# Altium PCB ArcadeTestHAT 05.PcbDoc (part 1 of 2) (continued)
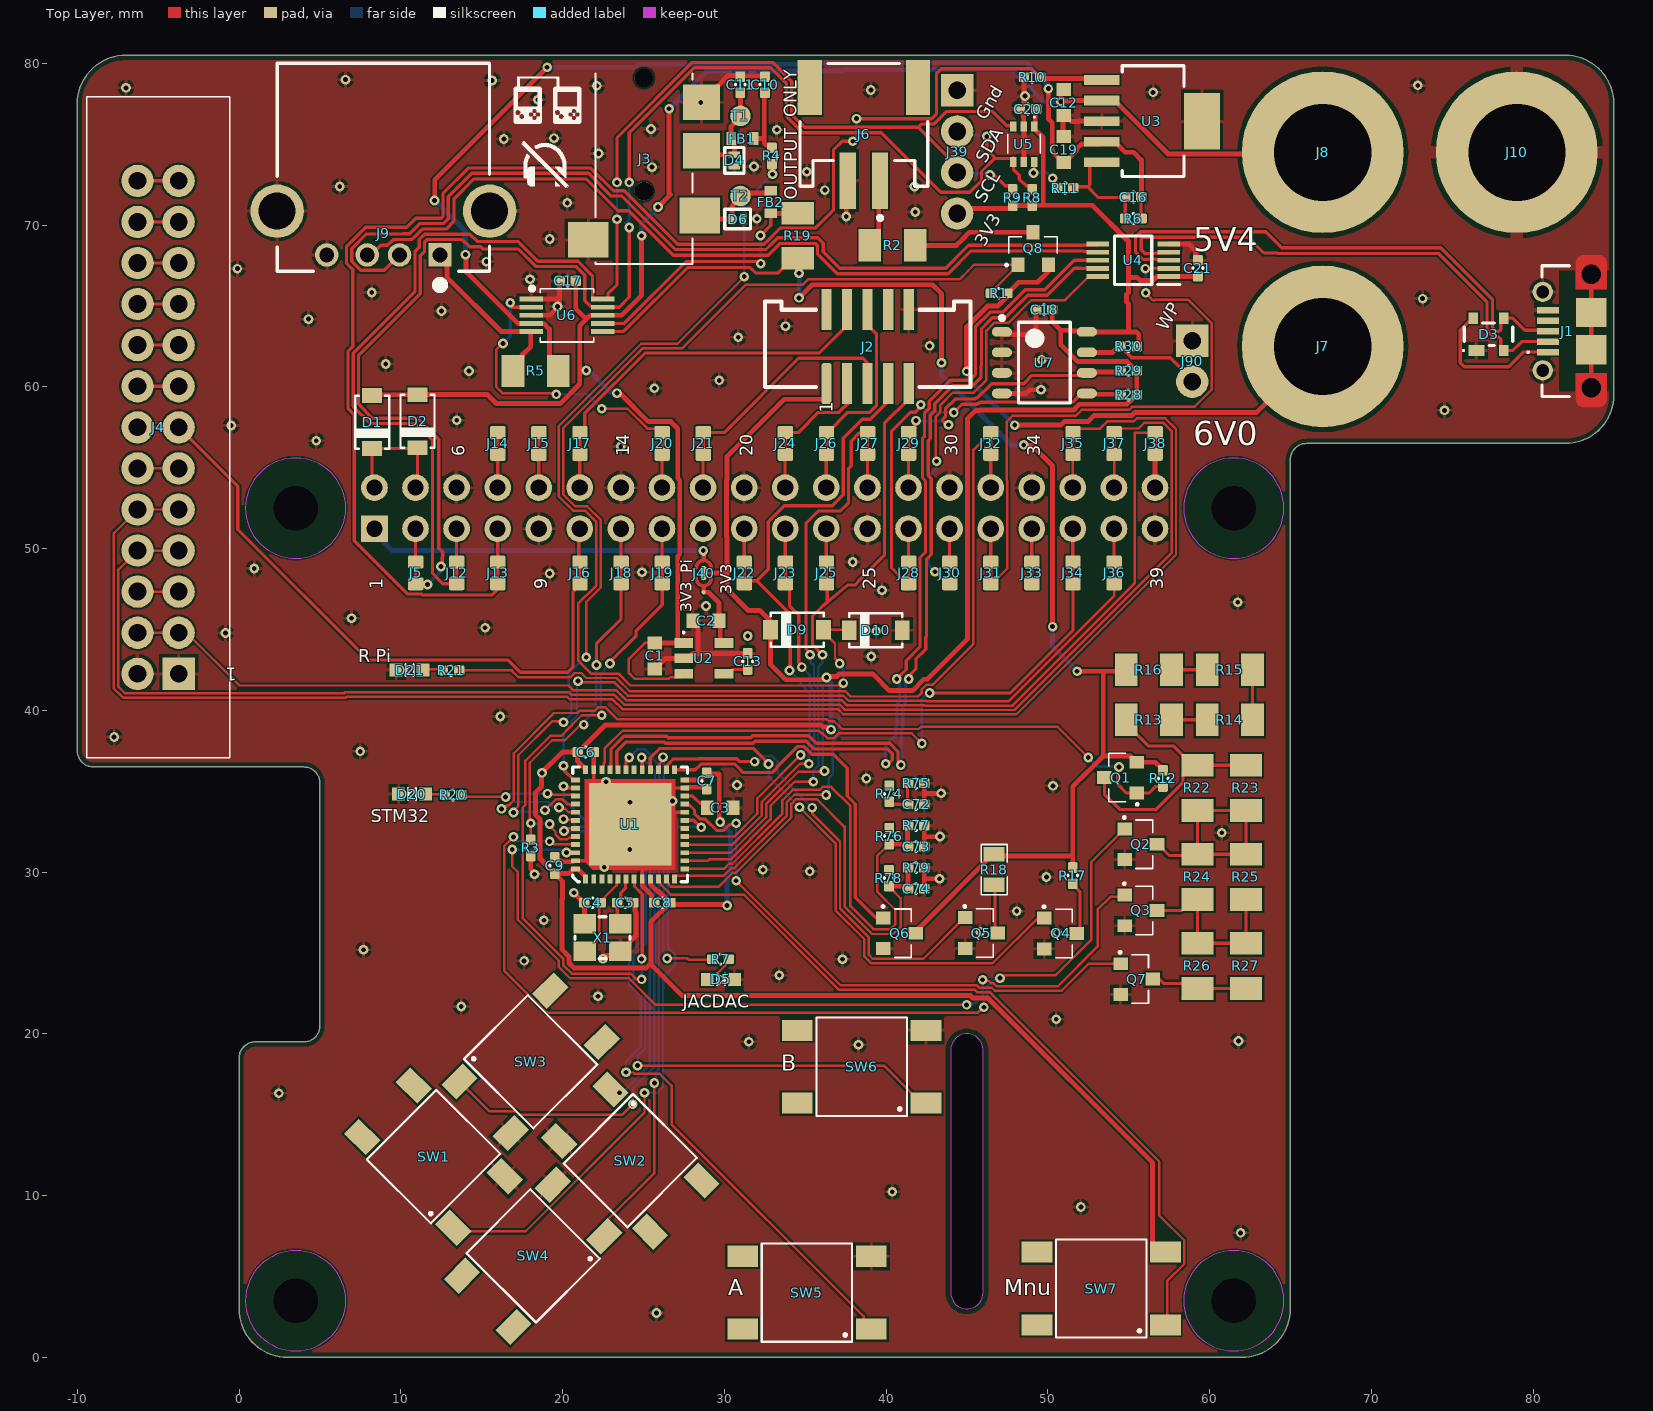
[diagram p0: Top Layer view]
## Footprints (in the part's own frame and the unit in brackets; to place one, negate y for a bottom-side part, rotate by r counter-clockwise, add the part's x,y. Pads: shape width x height; smd on the part's side, far side on the other; paste and mask are expansions set on the pad) (continued)
  silkscreen extent -0.03,-0.3 0.03,0.3, body extent -0.53,-0.28 0.53,0.27, height 0.35
RES0805 [mm] "Chip Resistor, 2-Leads, Body 2.03x1.27mm, IPC Medium Density"
  rect 0.9x1.3 smd: 1(-0.95,0) 2(0.95,0)
  silkscreen extent -1.55,-0.8 1.55,0.8, body extent -1,-0.63 1,0.63, height 1.4
RES1206 [mm]
  rect 1.4x2 smd: 1(-1.4,0) 2(1.4,0)
  body extent -1.7,-0.9 1.7,0.9, height 0.64
"Rohm SML-D12 Orange" [mm]
  rect 0.8x0.8 smd paste-0.05: 1(-0.825,0) 2(0.825,0)
  silkscreen extent -0.25,-0.38 0.25,0.38, body extent -0.8,-0.4 0.8,0.4, height 0.54
"SAMTEC SHF-105-01-L-D-SM - UPDATED SILKSCREEN" [mil]
  rrect50% 100x25 smd: 1(-90,100)
  rect 100x25 smd: 2(90,100) 3(-90,50) 4(90,50) 5(-90,0) 6(90,0) 7(-90,-50) 8(90,-50) 9(-90,-100) 10(90,-100)
  silkscreen extent -98,-250 110,250, body extent -126,-250 114,250, height 215
SAMTEC-SSW-120-01-G-D [mm]
  rect 1.65x1.65 / inner round 1.65 / far side rect 1.65x1.65 hole 1 mask+0: 1(24.13,-1.27)
  round 1.65 hole 1 mask+0: 2(24.13,1.27) 3(21.59,-1.27) 4(21.59,1.27) 5(19.05,-1.27) 6(19.05,1.27) 7(16.51,-1.27) 8(16.51,1.27) 9(13.97,-1.27) 10(13.97,1.27) 11(11.43,-1.27) 12(11.43,1.27) 13(8.89,-1.27) 14(8.89,1.27) 15(6.35,-1.27) 16(6.35,1.27) 17(3.81,-1.27) 18(3.81,1.27) 19(1.27,-1.27) 20(1.27,1.27) 21(-1.27,-1.27) 22(-1.27,1.27) 23(-3.81,-1.27) 24(-3.81,1.27) 25(-6.35,-1.27) 26(-6.35,1.27) 27(-8.89,-1.27) 28(-8.89,1.27) 29(-11.43,-1.27) 30(-11.43,1.27) 31(-13.97,-1.27) 32(-13.97,1.27) 33(-16.51,-1.27) 34(-16.51,1.27) 35(-19.05,-1.27) 36(-19.05,1.27) 37(-21.59,-1.27) 38(-21.59,1.27) 39(-24.13,-1.27) 40(-24.13,1.27)
  silkscreen extent -25.65,-2.5 25.65,2.5, body extent -25.65,-2.48 25.65,2.48, height 8.51
SJ2-3574A-SMT-TR [mm] "3.5mm 4 contact SMD socket"
  rect 2.2x2.5 smd: 1(12.3,-3.45) 2(10.8,3.45)
  rect 2.2x2.3 smd: 3(6.8,3.55) 4(3.8,3.55)
  round 1.15 hole 1.15 unplated mask+0: ""(2.3,0) ""(9.3,0)
  silkscreen extent 2,-3 13.8,3, body extent -1.2,-4.2 13.8,4.2, height 5.35
"ST UFQFPN48 SEH" [mm]
  rect 0.55x0.3 smd mask+0.05: 1(-3.375,2.75) 2(-3.375,2.25) 3(-3.375,1.75) 4(-3.375,1.25) 5(-3.375,0.75) 6(-3.375,0.25) 7(-3.375,-0.25) 8(-3.375,-0.75) 9(-3.375,-1.25) 10(-3.375,-1.75) 11(-3.375,-2.25) 12(-3.375,-2.75) 25(3.375,-2.75) 26(3.375,-2.25) 27(3.375,-1.75) 28(3.375,-1.25) 29(3.375,-0.75) 30(3.375,-0.25) 31(3.375,0.25) 32(3.375,0.75) 33(3.375,1.25) 34(3.375,1.75) 35(3.375,2.25) 36(3.375,2.75)
  rect 0.3x0.55 smd mask+0.05: 13(-2.75,-3.375) 14(-2.25,-3.375) 15(-1.75,-3.375) 16(-1.25,-3.375) 17(-0.75,-3.375) 18(-0.25,-3.375) 19(0.25,-3.375) 20(0.75,-3.375) 21(1.25,-3.375) 22(1.75,-3.375) 23(2.25,-3.375) 24(2.75,-3.375) 37(2.75,3.375) 38(2.25,3.375) 39(1.75,3.375) 40(1.25,3.375) 41(0.75,3.375) 42(0.25,3.375) 43(-0.25,3.375) 44(-0.75,3.375) 45(-1.25,3.375) 46(-1.75,3.375) 47(-2.25,3.375) 48(-2.75,3.375)
  rect 5.1x5.1 smd paste-3 mask+0: 49(0,0)
  Top Layer region: 2.8,-2.8 -2.8,-2.8 -2.8,2.3 -2.3,2.8 2.8,2.8
  silkscreen extent -3.55,-3.55 3.55,3.55, body extent -3.5,-3.5 3.5,3.5, height 0.55
"TDK MPZ1608 0.8mm" [mm]
  rect 0.6x0.8 smd paste-0.1: 1(-0.7,0) 2(0.7,0)
  body extent -0.8,-0.4 0.8,0.4, height 0.8
"TE-292303-1_V - MH WITH ENLARGED ANNULAR RING" [mm] "THD, 4-Leads, Body 13.13x14mm, Pitch 2.5mm"
  rect 1.45x1.45 hole 0.92: 1(-3.5,1.144)
  round 1.45 hole 0.92: 2(-1,1.144) 3(1,1.144) 4(3.5,1.144)
  round 3.3 hole 2.3: 5(-6.57,-1.566) 6(6.57,-1.566)
  silkscreen extent -6.57,-10.7 6.57,3.25, body extent -8.11,-11.85 8.12,2.15, height 7.72
ThreeWaySolderBlob [mil] "Three way open solder blob, 'ball and socket' style"
  round 1 smd paste-10 mask-1: 1(-19.93,0.05) 1(-16.39,-3.5) 1(-16.39,3.6) 3(76.31,-3.55) 3(76.31,3.55) 3(79.85,0)
  oval 10x10.01 smd paste-10 mask-2: 1(-16.56,0.08) 3(76.49,-0.03)
  oval 35x16 smd: 2(30,0)
  Top Layer region: 74.84,5.02 77.02,4.52 78.76,3.13 79.73,1.12 79.73,-1.12 78.76,-3.13 77.02,-4.52 74.84,-5.02 74.84,-5.01 64.28,-5.01 60,-13.79 52.36,-19.85 42.84,-22.02 42.84,-22.01 41.3,-21.71 40,-20.84 39.13,-19.54 38.82,-18 38.82,-18 39.13,-16.46 40,-15.16 41.3,-14.29 42.84,-13.98 42.84,-13.98 48.19,-12.92 52.73,-9.89 55.76,-5.35 56.82,0 56.82,0 55.76,5.35 52.73,9.89 48.19,12.92 42.84,13.98 42.84,13.99 41.3,14.29 40,15.16 39.13,16.46 38.82,18 38.82,18 39.13,19.54 40,20.84 41.3,21.71 42.84,22.02 42.84,22.02 52.36,19.85 60,13.79 64.28,5.02 64.28,5.02
  Top Layer region: -14.92,-3.79 -16.39,-3.5 -17.63,-2.66 -18.47,-1.42 -18.76,0.05 -18.76,0.05 -18.47,1.52 -17.63,2.77 -16.39,3.6 -14.92,3.89 -14.92,3.89 -13.45,3.6 -12.2,2.77 -11.37,1.52 -11.08,0.05 -11.08,0.05 -11.37,-1.42 -12.2,-2.66 -13.45,-3.5 -14.92,-3.79
  Top Layer region: -14.92,-4.96 -17.09,-4.47 -18.84,-3.08 -19.81,-1.07 -19.81,1.17 -18.84,3.18 -17.09,4.57 -14.92,5.07 -14.92,5.07 -4.35,5.07 -0.08,13.84 7.57,19.9 17.08,22.07 17.08,22.07 18.62,21.76 19.92,20.89 20.79,19.59 21.1,18.05 21.1,18.05 20.79,16.51 19.92,15.21 18.62,14.34 17.08,14.04 17.08,14.04 11.73,12.97 7.19,9.94 4.16,5.4 3.1,0.05 3.1,0.05 4.16,-5.3 7.19,-9.84 11.73,-12.87 17.08,-13.93 17.08,-13.93 18.62,-14.24 19.92,-15.11 20.79,-16.41 21.1,-17.95 21.1,-17.95 20.79,-19.49 19.92,-20.79 18.62,-21.66 17.08,-21.96 17.08,-21.96 7.57,-19.8 -0.08,-13.74 -4.35,-4.96 -4.35,-4.96
  Top Layer region: 74.84,3.84 76.31,3.55 77.56,2.72 78.39,1.47 78.68,0 78.68,0 78.39,-1.47 77.56,-2.72 76.31,-3.55 74.84,-3.84 74.84,-3.84 73.37,-3.55 72.12,-2.72 71.29,-1.47 71,0 71,0 71.29,1.47 72.12,2.72 73.37,3.55 74.84,3.84
TPS79633DCQR [mm]
  rect 0.6x2.2 smd: 1(-2.54,0) 2(-1.27,0) 3(0,0) 4(1.27,0) 5(2.54,0)
  rect 3.5x2.2 smd: 6(0,6.2)
  silkscreen extent -3.43,1.27 3.43,5.08, body extent -3.28,-0.46 3.28,6.81, height 1.81
"Wurth 430152050836-WIDE" [mm] "6*6mm vertical type, SMD, height 5.0mm, black actuator, 160gf, T&R"
  rect 1.9x1.3 smd: 1(-3.975,2.25) 2(-3.975,-2.25) 3(3.975,2.25) 4(3.975,-2.25)
  silkscreen extent -2.79,-3.04 2.79,3.04, body extent -4.5,-3.1 4.5,3.1, height 5

## Part data
C1 C2 C3 C12 C19: library part "4.7uF 10V X5R ±10% Samsung CL", "Generic 0603 capacitor 4.7uF 10V, e.g. Samsung CL10A475KP8NNNC", Capacitance=4.7µF, Case/Package=0603, Case Code (Metric)=1608, Dielectric=X5R, Manufacturer=Samsung, Max Operating Temperature=85°C, Min Operating Temperature=-55°C, Package Quantity=1, Supplier Part Number 1=1276-1044-1-ND, Tolerance=10%, Voltage Rating=10V, Case Code (Imperial)=0603, Contact Plating=Tin, Created By=shodges, Depth=0.8mm, Height=0.8mm, Length=1.6mm, Manufacturer Part Number=CL10A475KP8NNNC, Mount="Surface Mount", Packaging="Tape and Reel", Pricing 1="1=0.15, 10=0.109, 100=0.0513, 500=0.036, 1000=0.0298 (USD)", Radiation Hardening=No, Stock 1=40000, Supplier 1=Digi-Key, Supplier 2=Farnell, Supplier Part Number 2=3010071, Thickness=0.035inch, Width=0.031inch
C4 C5 C16: library part CAP0402_GENERIC, "Generic 0402 capacitor 12pF", Manufacturer=Generic, Package Size=0402, Rated Voltage="* V"
C6 C7 C8 C9 C13 C17 C18 C20 C21 C72 C73 C74: "Generic 0402 capacitor 100nF 16V, e.g. AVX 0402YG104ZAT2A", Capacitance=100nF, Case/Package=0402, Case Code (Metric)=1005, Dielectric=Y5V, Insulation Resistance=100GR, Manufacturer="Kyocera AVX", Max Operating Temperature=85°C, Min Operating Temperature=-30°C, Package Quantity=1, Supplier Part Number 1=478-1138-1-ND, Tolerance=80%, Voltage=16V, Case Code (Imperial)=0402, ComponentLink2Description="AVX datasheet online", ComponentLink2URL=http://datasheets.avx.com/Y5V.pdf, Contact Plating=Tin,Matte, Depth=0.5mm, Dissipation Factor=9%, Height=0.5mm, Lead Free="Lead Free", Length=1mm, Manufacturer Part Number=0402YG104ZAT2A, Mount="Surface Mount,PCB", Packaging="Tape and Reel", Pricing 1="1=0.1, 10=0.041, 100=0.0183, 500=0.01306, 1000=0.01026, 2500=0.00933, 5000=0.00858 (USD)", Radiation Hardening=No, REACH SVHC="No SVHC", Stock 1=0, Supplier 1=Digi-Key, Supplier 2=Farnell, Supplier 3=Mouser, Supplier 4=RSComponents, Supplier Part Number 2=1327667, Supplier Part Number 3=581-040216G104Z, Supplier Part Number 4=698-3190, Termination=SMD/SMT, Thickness=0.022inch, Voltage Rating=16V, Voltage Rating (DC)=16V, Width=0.02inch
C10: library part CAP0402_GENERIC, "Generic 0402 capacitor 33pF", Manufacturer=Generic, Package Size=0402, Rated Voltage="* V"
C11: library part CAP0402_GENERIC, "generic 0402 capacitor", Package Size=0402, Rated Voltage="* V"
D1 D2 D9 D10: library part "MCC MBRX120LF", "Schottky diode, 1A low Vf", Average Rectified Current=1A, Forward Voltage=360mV, Manufacturer=MCC, Manufacturer Part Number=MBRX120LF-TP, Max Forward Surge Current (Ifsm)=12A, Max Operating Temperature=125°C, Max Power Dissipation=556mW, Max Repetitive Reverse Voltage (Vrrm)=20V, Min Operating Temperature=-65°C, Package Quantity=1, Supplier Part Number 1=MBRX120LF-TPMSCT-ND, ComponentLink1Description="MCC datasheet", ComponentLink1URL=http://www.mccsemi.com/up_pdf/MBRX120LF(SOD-123).pdf, Element Configuration=Single, Forward Current=1A, Lead Free="Lead Free", Max Reverse Voltage (DC)=20V, Max Surge Current=12A, Mount="Surface Mount", Number of Pins=2, Packaging="Tape and Reel", Peak Non-Repetitive Surge Current=12A, Pricing 1="1=0.51, 10=0.362, 100=0.2379, 500=0.1406, 1000=0.10815 (USD)", Radiation Hardening=No, REACH SVHC=Unknown, Stock 1=67630, Supplier 1=Digi-Key, Supplier 2=Farnell, Supplier 3=Mouser, Supplier Part Number 2=1924371, Supplier Part Number 3=833-MBRX120LF-TP
D3: library part NXP-PRTR5V0U2X,215-4-whitesch, "USB TVS and ESD protection diodes", Breakdown Voltage=6V, Capacitance=16pF, Case/Package=SOT, Leakage Current=100nA, Manufacturer="NXP Semiconductors", Manufacturer Part Number=PRTR5V0U2X,215, Max Breakdown Voltage=9V, Max Operating Temperature=85°C, Max Reverse Leakage Current=100uA, Min Operating Temperature=-40°C, Package Quantity=1, Power Line Protection=Yes, Reverse Standoff Voltage=5.5V, Supplier Part Number 1=1727-3884-1-ND, ComponentLink8Description="NXP datasheet", ComponentLink8URL=http://www.farnell.com/datasheets/109718.pdf?src-supplier=Farnell, Contact Plating=Tin, Depth=1.4mm, Direction=Unidirectional, ESD Protection=Yes, Height=1.1mm, Lead Free="Lead Free", Length=3mm, Min Breakdown Voltage=6V, Mount="Surface Mount", Number of Bidirectional Channels=2, Number of Channels=2, Number of Elements=1, Number of Pins=4, Packaging="Tape and Reel", Polarity=Bidirectional,Unidirectional, Pricing 1="1=0.55, 10=0.47, 100=0.3507, 500=0.27552, 1000=0.2129 (USD)", Radiation Hardening=No, REACH SVHC="No SVHC", Reverse Breakdown Voltage=6V, Stock 1=109808, Supplier 1=Digi-Key, Supplier 2=Farnell, Supplier 3=RSComponents, Supplier 4=Mouser, Supplier Part Number 2=2371119, Supplier Part Number 3=725-8720, Supplier Part Number 4=771-PRTR5V0U2X-T/R, Termination=SMD/SMT, Weight=0.001lb, Width=1.4mm, Working Voltage=5.5V
D4 D6: "ESD Suppressor, low parasitic capacitance.TVS DIODE 5.5V 13V DFN1006-2", Breakdown Voltage=7V, Case/Package=DFN, Clamping Voltage=13V, Manufacturer 1=Diodes, Manufacturer Part Number 1=D5V0P1B2LP-7B, Max Operating Temperature=150°C, Max Power Dissipation=250mW, Max Reverse Leakage Current=100nA, Max Surge Current=4A, Min Breakdown Voltage=6V, Min Operating Temperature=-65°C, Package Quantity=10000, Power Line Protection=No, Resistor Type=Zener, Reverse Standoff Voltage=5.5V, Supplier Part Number 1=D5V0P1B2LP-7BDICT-ND, Category="TVS Diodes", ComponentLink3Description=https://www.diodes.com/assets/Datasheets/D5V0P1B2LP.pdf?src-supplier=Digi-Key, ComponentLink3URL=https://www.diodes.com/assets/Datasheets/D5V0P1B2LP.pdf?src-supplier=Digi-Key, Contact Plating=Gold, Direction=Bidirectional, Element Configuration=Single, ESD Protection=Yes, Mount="Surface Mount", Number of Bidirectional Channels=1, Number of Pins=2, Packaging="Tape and Reel", Peak Pulse Current=4A, Peak Pulse Power=250mW, Polarity=Bidirectional, Pricing 1="1=0.25000, 10=0.17500, 100=0.09310, 500=0.05332, 1000=0.04460, 2000=0.03684, 5000=0.03490 (USD)", RoHS=Yes, Stock 1=69866, Supplier 1=Digi-Key, Supplier 2=Mouser, Supplier Part Number 2=621-D5V0P1B2LP-7B, Termination=SMD/SMT, Working Voltage=5.5V
D5 D20 D21: "1.6 x 0.8 x 0.55mm (0603) LED 605nm Orange", Colour=Orange, Current - Test=20mA, Luminous Flux @ Current - Test=-, Manufacturer="Rohm Semiconductor", Manufacturer Part Number=SML-D12D8WT86, Millicandela Rating=100mcd, Package / Case="0603 (1608 Metric)", Supplier Part Number 1=511-1577-1-ND, Voltage - Forward (Vf) (Typ)=2.2V, Category=Optoelectronics, ComponentLink1Description=http://rohmfs.rohm.com/en/products/databook/datasheet/opto/led/chip_mono/sml-d1.pdf, ComponentLink1URL=http://rohmfs.rohm.com/en/products/databook/datasheet/opto/led/chip_mono/sml-d1.pdf, Height=0.55mm, Lens Style/Size="Rectangle with Flat Top, 1.2mm x 0.8mm", Lens Type="Diffused, White", Mounting Type="Surface Mount", Packaging="Cut Tape (CT)", Pricing 1="1=0.38, 10=0.279, 25=0.2232, 100=0.1478, 250=0.1046, 500=0.08926, 1000=0.06974 (GBP)", RoHS="RoHS Compliant", Size / Dimension="1.60mm L x 0.80mm W", Stock 1=1719, Supplier 1=Digi-Key, Viewing Angle=-, Wavelength - Dominant=605nm, Wavelength - Peak=-
FB1 FB2: "0603 1k@100MHz 0.8A chip", Case/Package=0603, Case Code (Metric)=1608, Current Rating=800mA, DC Resistance (DCR)=300mR, Manufacturer=TDK, Manufacturer Part Number=MPZ1608S102ATA00, Package Quantity=4000, Supplier Part Number 1=445-8694-1-ND, Tolerance=25%, Case Code (Imperial)=0603, ComponentLink2Description="datasheet online", ComponentLink2URL=https://www.mouser.co.uk/datasheet/2/400/eads_commercial_power_mpz1608_en-923650.pdf, ComponentLink3Description=datasheet, ComponentLink3URL="Y:\System\Altium\Libraries 2014\TDK\Datasheets\eads_commercial_power_mpz1608_en-923650.pdf", Core Material=Ferrite, Height=0.037inch, Impedance="1kR @ 100MHz", Length=0.063inch, Max DC Current=800mA, Mount="Surface Mount", Packaging="Tape and Reel", Pricing 1="1=0.1, 10=0.079, 25=0.0716, 50=0.0644, 100=0.0472, 250=0.03432, 500=0.03146, 1000=0.02717 (USD)", Stock 1=113542, Supplier 1=Digi-Key, Supplier 2=Mouser, Supplier Part Number 2=810-MPZ1608S102ATA00, Width=0.031inch
J1: "Micro USB SMD with TH mechanical mount", Manufacturer=Hirose, Manufacturer Part Number=ZX62D-B-5PA8(30), Supplier Part Number 1=H125718CT-ND, ComponentLink1Description=datasheet, ComponentLink1URL="Y:\System\Altium\Libraries 2014\Hirose\Datasheets\Hirose-ZX.pdf", Connector Type=USB, Contact Material="Copper Alloy", Contact Plating=Gold, Gender=Receptacle, Lead Free="Lead Free", Mount="Surface Mount,Horizontal", Number of Contacts=5, Number of Pins=5, Orientation="Right Angle", Packaging="Tape and Reel", Pricing 1="1=0.77, 10=0.726, 25=0.6536, 50=0.5808, 100=0.5566, 250=0.5082, 500=0.484, 1000=0.3993 (USD)", REACH SVHC=Unknown, Stock 1=12999, Supplier 1=Digi-Key, Supplier 2=Farnell, Supplier 3=Mouser, Supplier 4=RSComponents, Supplier Part Number 2=2554981, Supplier Part Number 3=798-ZX62D-B-5PA830, Supplier Part Number 4=1360893, USB Standard="USB 2.0"
J2: "Standard Card Edge Connectors .050 Mini Edge Card Connector, Vertical", Housing Color=Black, Manufacturer=Samtec, Manufacturer Part Number=SHF-105-01-L-D-SM, Max Operating Temperature=125°C, Min Operating Temperature=-55°C, Category="Card Edge Connectors", ComponentLink1Description="samtec datasheet online", ComponentLink1URL=http://www.farnell.com/datasheets/1927736.pdf?src-supplier=Avnet, ComponentLink2Description="samtec datasheet", ComponentLink2URL="Y:\System\Altium\Libraries 2014\Samtec", ComponentLink3Description=https://datasheet.ciiva.com/10926/mecf-10926311.pdf?src-supplier=Avnet, ComponentLink3URL=https://datasheet.ciiva.com/10926/mecf-10926311.pdf?src-supplier=Avnet, ComponentLink4Description=https://datasheet.ciiva.com/16666/mecf-16666423.pdf?src-supplier=Avnet+Europe, ComponentLink4URL=https://datasheet.ciiva.com/16666/mecf-16666423.pdf?src-supplier=Avnet+Europe, Contact Material=Bronze, Contact Plating=Gold, Depth=5.59mm, Gender=Male, Housing Material=Polymer, Length=12.7mm, Mount="Surface Mount", Number of Contacts=10, Number of Rows=2, Orientation=Straight, Packaging=Bulk, Pitch=1.27mm, Pricing 2="1=2.98, 45=2.618, 135=2.38, 540=2.023, 1035=1.7255, 5040=1.547 (USD)", Pricing 6="1=4.53000, 10=4.34400, 25=3.98200, 50=3.80100, 100=3.62000, 250=3.16752, 500=3.07700, 1000=2.62450, 2500=2.44350 (USD)", Radiation Hardening=No, REACH SVHC="No SVHC", RoHS=Yes, Stock 2=9740, Stock 6=49, Supplier 1=Samtec, Supplier 2=Digi-Key, Supplier 3=Farnell, Supplier 4=Mouser, Supplier 5=RSComponents, Supplier 6=Digi-Key, Supplier Part Number 1=SHF-105-01-L-D-SM, Supplier Part Number 2=SAM10710-ND, Supplier Part Number 3=1885915, Supplier Part Number 4=200-SHF10501LDSM, Supplier Part Number 5=9011854, Supplier Part Number 6=SAM11496-ND, Termination=Solder
J3: "4-way 3.5mm jack socket SMD R/A", Color=Black, Manufacturer=CUI, Manufacturer Part Number=SJ2-3574A-SMT-TR, Supplier Part Number 1=CP-SJ2-3574A-SMT-CT-ND, ComponentLink1Description="CUI datasheet", ComponentLink1URL=https://www.cui.com/product/resource/sj2-357x-smt.pdf, Connector Type=Jack, Number of Conductors=4, Number of Ports=1, Orientation=Horizontal, Pricing 1="1=1.15, 10=1.013, 25=0.9532, 50=0.9134, 100=0.8736, 250=0.7942, 500=0.71478 (USD)", Shielding=Unshielded, Stock 1=2113, Supplier 1=Digi-Key, Supplier 2=Mouser, Supplier Part Number 2=490-SJ2-3574A-SMT-TR
J4: library part "Header Multicomp MC-254-26-00-ST-DIP-whitesch", "2.54mm, 13x2 way, vertical, TH, square pin, gold plate, shroud", Manufacturer=Multicomp, Manufacturer Part Number=MC-254-26-00-ST-DIP, Supplier Part Number 1=2843533, ComponentLink1Description="multicomp datasheet", ComponentLink1URL=http://www.farnell.com/datasheets/2602723.pdf?src-supplier=Farnell, Pricing 1="5=0.29600, 50=0.21800, 150=0.18900, 250=0.15400, 500=0.14900, 1500=0.14300, 2500=0.13800, 5000=0.13200 (GBP)", RoHS=No, Stock 1=10849, Supplier 1=Farnell
J5 J12 J13 J14 J15 J16 J17 J18 J19 J20 J21 J22 J23 J24 J25 J26 J27 J28 J29 J30 J31 J32 J33 J34 J35 J36 J37 J38: Package Size=0603, Power=*mW
J6: library part S2B-PH-SM4-TB(LF)(SN), "Male header, pitch 2 mm, 1x2 position", Color=Natural,White, Contact Resistance=20mR, Current Rating=2A, Flammability Rating="UL94 V-0", Housing Color=Beige, Insulation Resistance=1GR, Manufacturer=JST, Max Operating Temperature=85°C, Max Voltage Rating (AC)=100V, Min Operating Temperature=-25°C, Supplier Part Number 1=455-1749-1-ND, ComponentLink1Description="JST connector selector website", ComponentLink1URL=http://www.jst.com/home2.html, ComponentLink2Description="JST datasheet", ComponentLink2URL=http://www.jst-mfg.com/product/pdf/eng/ePH.pdf, Connector Type="Male Pin", Contact Material="Copper Alloy,Bronze,Tin,Brass", Contact Mating Length=0.13inch, Contact Plating=Tin,Copper, Depth=7.6mm, Fastening Type=Detent, Gender=Male, Height=9.4mm, Housing Material=Polyamide, Lead Free="Lead Free", Lead Pitch=2mm, Length=7.9mm, Manufacturer Part Number=S2B-PH-SM4-TB(LF)(SN), Max Current Rating=2A, Max Voltage Rating (DC)=100V, Mount="Surface Mount", Number of Contacts=2, Number of Poles=2, Number of Positions=2, Number of Rows=1, Orientation="Right Angle", Packaging="Tape and Reel", Pitch=2mm, Pricing 1="1=0.58, 10=0.547, 100=0.4194, 500=0.3647 (USD)", REACH SVHC="No SVHC", Stock 1=179134, Supplier 1=Digi-Key, Supplier 2=Farnell, Supplier 3=RSComponents, Supplier Part Number 2=9492615, Supplier Part Number 3=688-1353, Termination=Solder, Voltage Rating=100V, Voltage Rating (AC)=100V, Width=5mm, Working Voltage=100V
J7 J8: library part "4mm post red", "panel/PCB mount 4mm connector terminal, red", Current Rating=32A, Manufacturer=Multicomp, Manufacturer Part Number=24.247.1, Supplier Part Number 1=1698950, Voltage Rating=30V, ComponentLink1Description="multicomp drawing online", ComponentLink1URL=http://www.farnell.com/datasheets/1901212.pdf?_ga=2.153323963.2000810948.1575820374-240913015.1522930266&_gac=1.204614052.1572628993.EAIaIQobChMI_-yFp8PJ5QIVFODtCh02OgyTEAQYASABEgKDRPD_BwE, ComponentLink2Description="multicomp datasheet online", ComponentLink2URL=http://www.farnell.com/datasheets/2632229.pdf?_ga=2.128402447.2000810948.1575820374-240913015.1522930266&_gac=1.253370685.1572628993.EAIaIQobChMI_-yFp8PJ5QIVFODtCh02OgyTEAQYASABEgKDRPD_BwE, Contact Material=Brass, Contact Plating=Nickel, Gender=Female, Length=22.8mm, Pricing 1="1=0.48600, 10=0.45800, 25=0.43900 (GBP)", REACH SVHC="No SVHC", RoHS=Yes, Stock 1=27137, Supplier 1=Farnell, Termination=Solder, Voltage Rating (DC)=30V
J9: "USB 2.0 type A socket, TH", Color=Black, Contact Current Rating=1A, Flammability Rating="UL94 V-0", Insulation Resistance=1GR, Manufacturer="TE Connectivity", Manufacturer Part Number=292303-1, Max Operating Temperature=185°C, Min Operating Temperature=-67°C, Package Quantity=30, Supplier Part Number 1=A31726-ND, Voltage Rating (AC)=30V, Approvals=UL, Circuit Application=Signal, ComponentLink1Description="datasheet online", ComponentLink1URL=https://www.te.com/commerce/DocumentDelivery/DDEController?Action=showdoc&DocId=Customer+Drawing%7F292303%7FE13%7Fpdf%7FEnglish%7FENG_CD_292303_E13.pdf%7F292303-1, Connector System=Cable-to-Board, Connector Type=Receptacle, Contact Material="Copper Alloy,Copper", Contact Plating=Nickel,Gold, Current Rating=1A, Depth=14mm, Gender=Receptacle, Halogen Free="Halogen Free", Housing Color=Black, Housing Material=Thermoplastic, Length=14.63mm, Mount="Through Hole,Horizontal", Number of Contacts=4, Number of Ports=1, Number of Positions=4, Number of Terminals=4, Orientation="Right Angle", Packaging=Rail/Tube, PCB Thickness=0.062inch, Pitch=2.5mm, Plating=Bright,Tin, Plating Thickness=0.76um, Pricing 1="1=1.31000, 10=1.15100, 25=1.08320, 50=1.03800, 100=0.99290, 250=0.90268, 500=0.81242, 1000=0.72214, 2500=0.65444 (USD)", REACH SVHC="No SVHC", RoHS=Yes, Stock 1=36943, Supplier 1=Digi-Key, Supplier 2=Farnell, Supplier 3=Mouser, Supplier 4=RSComponents, Supplier Part Number 2=1076663, Supplier Part Number 3=571-292303-1, Supplier Part Number 4=5298195P, Tail Length=0.112inch, Termination="Through Hole", USB Standard="USB 2.0"
J10: library part "4mm post black", "panel/PCB mount 4mm connector terminal, black", Current Rating=32A, Manufacturer=Multicomp, Manufacturer Part Number=24.247.2, Supplier Part Number 1=1698951, Voltage Rating (DC)=30V, ComponentLink1Description="multicomp drawaing online", ComponentLink1URL=http://www.farnell.com/datasheets/1901212.pdf?_ga=2.153323963.2000810948.1575820374-240913015.1522930266&_gac=1.204614052.1572628993.EAIaIQobChMI_-yFp8PJ5QIVFODtCh02OgyTEAQYASABEgKDRPD_BwE, ComponentLink2Description="multicomp datasheet online", ComponentLink2URL=http://www.farnell.com/datasheets/2632229.pdf?_ga=2.128402447.2000810948.1575820374-240913015.1522930266&_gac=1.253370685.1572628993.EAIaIQobChMI_-yFp8PJ5QIVFODtCh02OgyTEAQYASABEgKDRPD_BwE, Contact Material=Brass, Contact Plating=Nickel, Gender=Receptacle, Length=22.8mm, Pricing 1="1=0.45500, 10=0.43000, 25=0.41700 (GBP)", REACH SVHC="No SVHC", RoHS=Yes, Stock 1=13568, Supplier 1=Farnell, Termination=Solder
J11: "20 position 2 row (40 way) 0.1\" TH socket", Color=Black, Contact Resistance=10mR, Current Rating=6.9A, Manufacturer=Samtec, Max Operating Temperature=125°C, Max Voltage Rating (AC)=550V, Min Operating Temperature=-55°C, Supplier Part Number 1=SAM1208-20-ND, ComponentLink1Description="samtec catalogue page online", ComponentLink1URL=http://suddendocs.samtec.com/catalog_english/ssw_th.pdf, ComponentLink2Description="samtec drawing online", ComponentLink2URL=http://suddendocs.samtec.com/prints/ssw-1xx-xx-xxx-x-xx-xxx-xx-mkt.pdf, Connector Type=Receptacle,Socket, Contact Material=Bronze, Contact Plating=Gold, Depth=4.95mm, Gender=Receptacle, Housing Color=Black, Housing Material=Polymer, Lead Free="Lead Free", Lead Pitch=2.54mm, Length=51.31mm, Manufacturer Part Number=SSW-120-01-G-D, Mating Cycles=100, Max Current Rating=6.9A, Mount="Through Hole", Number of Contacts=40, Number of Positions=40, Number of Rows=2, Orientation=Straight, Packaging=Bulk, Pitch=2.54mm, Pricing 1="1=5.36000, 10=5.14900, 25=4.72040, 50=4.50580, 100=4.29120, 250=3.75480, 500=3.64752 (USD)", Radiation Hardening=No, REACH SVHC="No SVHC", RoHS=Yes, Row Spacing=0.1inch, Stock 1=0, Supplier 1=Digi-Key, Supplier 2=Farnell, Supplier 3=Mouser, Supplier 4=RSComponents, Supplier Part Number 2=1668397, Supplier Part Number 3=200-SSW12001GD, Supplier Part Number 4=7655802, Termination=Solder, Voltage Rating=550V